# Allegro board S071AA-0413-20260427.brd (continued)
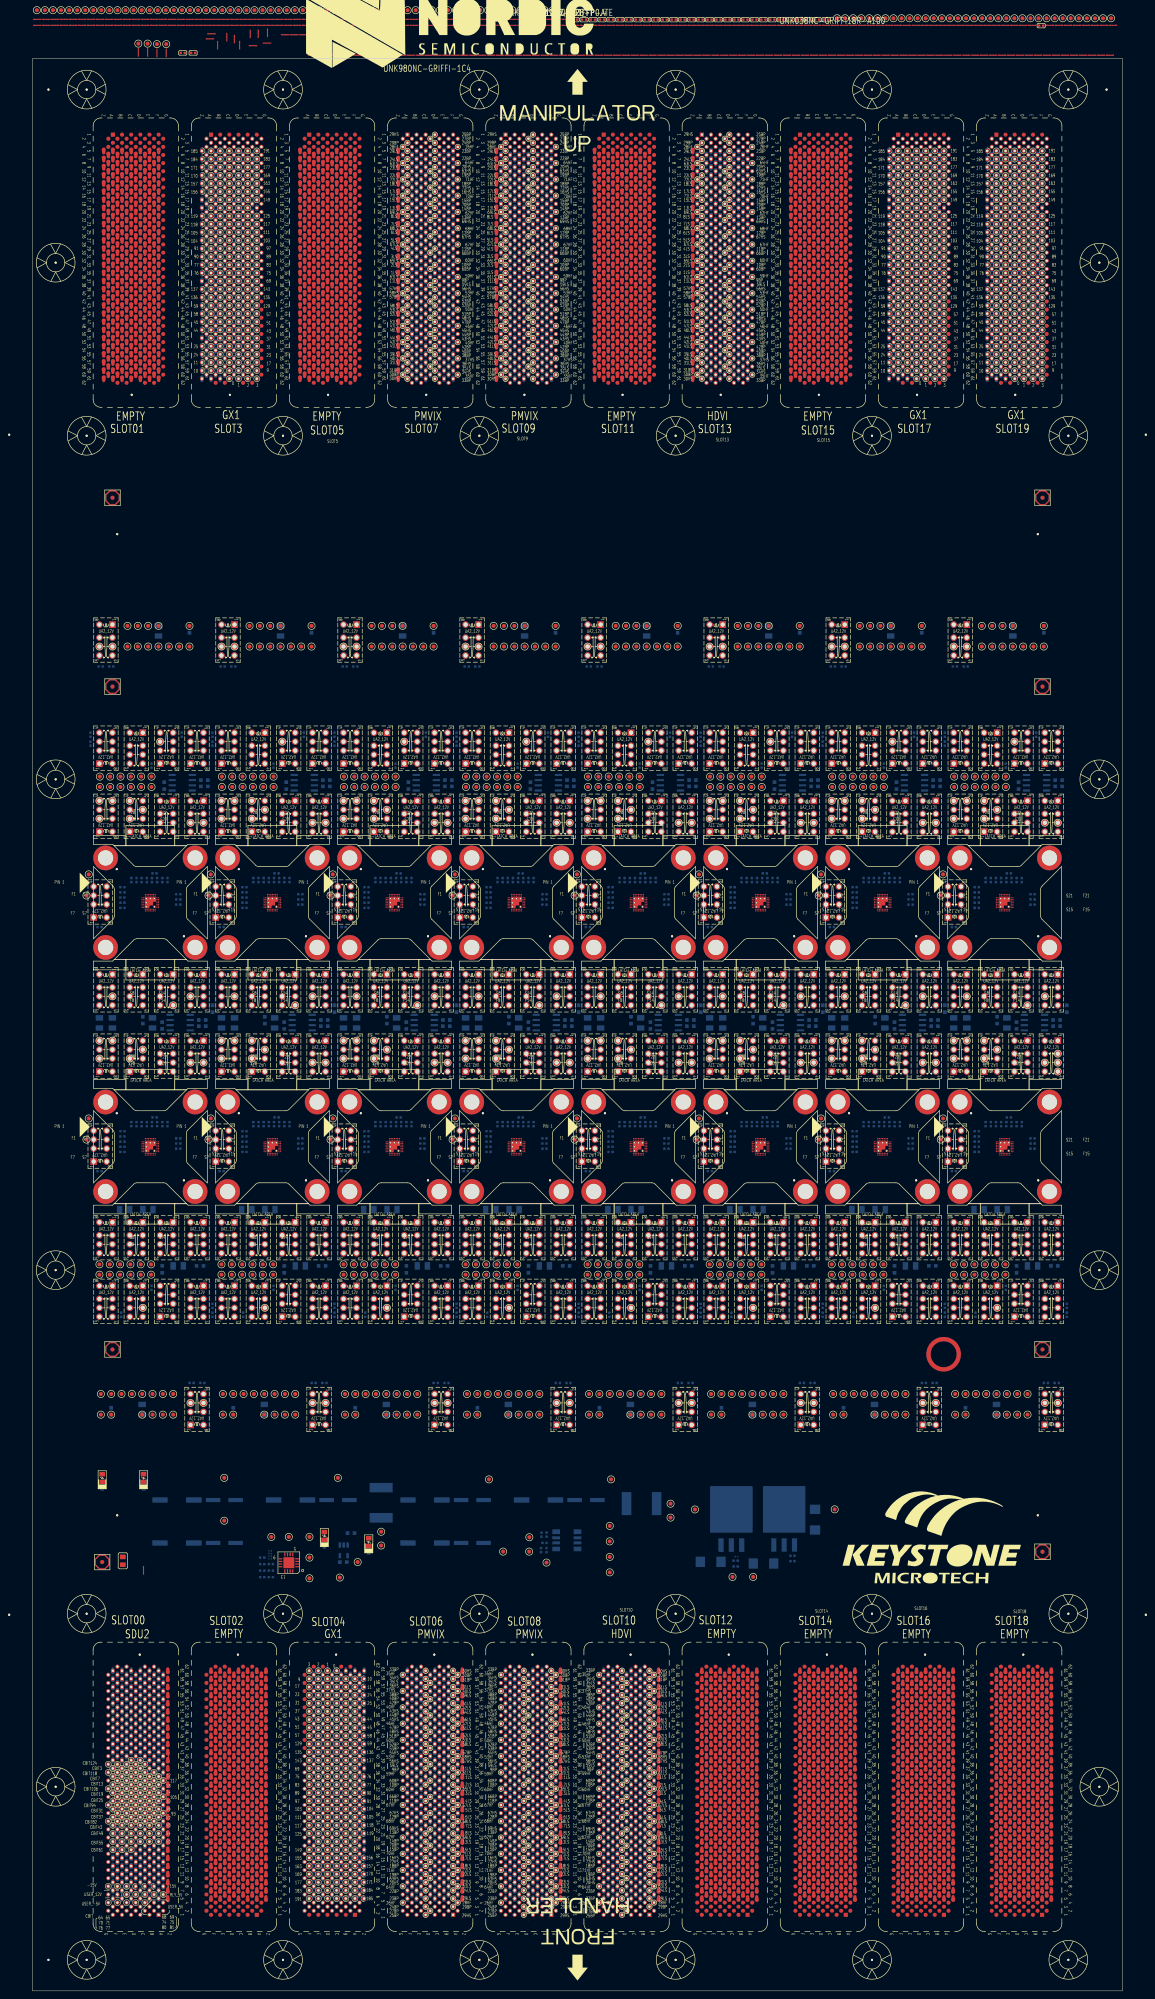
[diagram p0: board, top side]
## Library data of the parts (continued)
BC1 BC3 BC5 BC7 BC11 BC13 = 100U-50-E-S-6.6X6.6: Tolerance: TOL; User Part Number: PNXXXXXXXXXX
BC2 BC4 BC6 BC8 BC10 BC12 = 47U-100-E-S10X10-NI: User Part Number: PNXXXXXXXXXX; Tolerance: TOL
BD1 BD2 = BD120-3.5A-S8-LA: User Part Number: PNXXXXXXXXXX; Tolerance: TOL
BR1-BR3 = 560-1-S6: User Part Number: PNXXXXXXXXXX; Tolerance: TOL
BR4 = 1K-1-S6: User Part Number: PNXXXXXXXXXX; Tolerance: TOL
C14 = 1U-16-X5R-S4-YA: User Part Number: PNXXXXXXXXXX; Tolerance: TOL
C84-C86 = 1U-16-X6S-S4-TY: User Part Number: PNXXXXXXXXXX; Tolerance: TOL
C87-C89 UNK1CS1 UNK1CS4 UNK1CS5 UNK1CS19-UNK1CS23 UNK1CS25-UNK1CS28 UNK2CS1 UNK2CS4 UNK2CS5 UNK2CS19-UNK2CS23 UNK2CS25-UNK2CS28 UNK3CS1 UNK3CS4 UNK3CS5 UNK3CS19-UNK3CS23 UNK3CS25-UNK3CS28 UNK4CS1 UNK4CS4 UNK4CS5 UNK4CS19-UNK4CS23 UNK4CS25-UNK4CS28 UNK5CS1 UNK5CS4 UNK5CS5 UNK5CS19-UNK5CS23 UNK5CS25-UNK5CS28 UNK6CS1 UNK6CS4 UNK6CS5 UNK6CS19-UNK6CS23 UNK6CS25-UNK6CS28 UNK7CS1 UNK7CS4 UNK7CS5 UNK7CS19-UNK7CS23 UNK7CS25-UNK7CS28 UNK8CS1 UNK8CS4 UNK8CS5 UNK8CS19-UNK8CS23 UNK8CS25-UNK8CS28 UNK9CS1 UNK9CS4 UNK9CS5 UNK9CS19-UNK9CS23 UNK9CS25-UNK9CS28 UNK10CS1 UNK10CS4 UNK10CS5 UNK10CS19-UNK10CS23 UNK10CS25-UNK10CS28 UNK11CS1 UNK11CS4 UNK11CS5 UNK11CS19-UNK11CS23 UNK11CS25-UNK11CS28 UNK12CS1 UNK12CS4 UNK12CS5 UNK12CS19-UNK12CS23 UNK12CS25-UNK12CS28 UNK13CS1 UNK13CS4 UNK13CS5 UNK13CS19-UNK13CS23 UNK13CS25-UNK13CS28 UNK14CS1 UNK14CS4 UNK14CS5 UNK14CS19-UNK14CS23 UNK14CS25-UNK14CS28 UNK15CS1 UNK15CS4 UNK15CS5 UNK15CS19-UNK15CS23 UNK15CS25-UNK15CS28 UNK16CS1 UNK16CS4 UNK16CS5 UNK16CS19-UNK16CS23 UNK16CS25-UNK16CS28 = 0.1U-10-X7R-S4-MU-1: User Part Number: PNXXXXXXXXXX; Tolerance: TOL
C90 = 100P-50-X8R-S4-KEMET: User Part Number: PNXXXXXXXXXX; Tolerance: TOL
C99-C101 = 10U-35-T-SC: Tolerance: TOL; User Part Number: PNXXXXXXXXXX
C102 C103 = 1U-25-X7R-S6-WA: User Part Number: PNXXXXXXXXXX; Tolerance: TOL
FD1-FD16 REG1_P3V3 REG1_P_5V REG1_P_10V SDUP5V1 SDUP15V1 T_+15V T_-15V T_RLY_5V T_USER_5V T_USER_12V T_USER_-5V TP_EEP_GND TP_EPP_SCLK TP_EPP_SCLK_DGND1 TP_EPP_SDA TP_EPP_SDA_DGND1 TP_EPP_VCC TP_EPP_VCC_DGND1 TP_REG1_P3V3 TP_REG1_P_5V_DGND TP_REG1_P_10V_DGND TP_SDUP5V1 TP_SDUP15V1 TP_USER_GND1 TP_USER_SCLK1 TP_USER_SCLK1_DGND1 TP_USER_SDA1 TP_USER_SDA1_DGND1 UNK1TP_AVSS2/TST UNK1TP_GPIO0-UNK1TP_GPIO4 UNK1TP_LED0-UNK1TP_LED2 UNK1TP_LSIN1_F UNK1TP_LSIN1_G UNK1TP_LSIN1_S UNK1TP_LSIN2/NCHGEN_F UNK1TP_LSIN2/NCHGEN_G UNK1TP_LSIN2/NCHGEN_S UNK1TP_LSOUT1_F UNK1TP_LSOUT1_G UNK1TP_LSOUT1_S UNK1TP_LSOUT2/SUSPEND1_G UNK1TP_LSOUT2/SUSPEND1_S UNK1TP_LSOUT2/SUSPEND_F UNK1TP_NCHG/ATB0_F UNK1TP_NCHG/ATB0_G UNK1TP_NCHG/ATB0_S UNK1TP_NPG/ATB1_F UNK1TP_NPG/ATB1_G UNK1TP_NPG/ATB1_S UNK1TP_NTC UNK1TP_REF_5V UNK1TP_SCL UNK1TP_SDA UNK1TP_SHPHLD_F UNK1TP_SHPHLD_S UNK1TP_SW_F UNK1TP_SW_S UNK1TP_VBAT_F UNK1TP_VBAT_S UNK1TP_VBUS_F UNK1TP_VBUS_S UNK1TP_VDDIO_F UNK1TP_VDDIO_S UNK1TP_VEST UNK1TP_VOUT_F UNK1TP_VOUT_S UNK1TP_VSYS_F UNK1TP_VSYS_S UNK2TP_AVSS2/TST UNK2TP_GPIO0-UNK2TP_GPIO4 UNK2TP_LED0-UNK2TP_LED2 UNK2TP_LSIN1_F UNK2TP_LSIN1_G UNK2TP_LSIN1_S UNK2TP_LSIN2/NCHGEN_F UNK2TP_LSIN2/NCHGEN_G UNK2TP_LSIN2/NCHGEN_S UNK2TP_LSOUT1_F UNK2TP_LSOUT1_G UNK2TP_LSOUT1_S UNK2TP_LSOUT2/SUSPEND1_G UNK2TP_LSOUT2/SUSPEND1_S UNK2TP_LSOUT2/SUSPEND_F UNK2TP_NCHG/ATB0_F UNK2TP_NCHG/ATB0_G UNK2TP_NCHG/ATB0_S UNK2TP_NPG/ATB1_F UNK2TP_NPG/ATB1_G UNK2TP_NPG/ATB1_S UNK2TP_NTC UNK2TP_REF_5V UNK2TP_SCL UNK2TP_SDA UNK2TP_SHPHLD_F UNK2TP_SHPHLD_S UNK2TP_SW_F UNK2TP_SW_S UNK2TP_VBAT_F UNK2TP_VBAT_S UNK2TP_VBUS_F UNK2TP_VBUS_S UNK2TP_VDDIO_F UNK2TP_VDDIO_S UNK2TP_VEST UNK2TP_VOUT_F UNK2TP_VOUT_S UNK2TP_VSYS_F UNK2TP_VSYS_S UNK3TP_AVSS2/TST UNK3TP_GPIO0-UNK3TP_GPIO4 UNK3TP_LED0-UNK3TP_LED2 UNK3TP_LSIN1_F UNK3TP_LSIN1_G UNK3TP_LSIN1_S UNK3TP_LSIN2/NCHGEN_F UNK3TP_LSIN2/NCHGEN_G UNK3TP_LSIN2/NCHGEN_S UNK3TP_LSOUT1_F UNK3TP_LSOUT1_G UNK3TP_LSOUT1_S UNK3TP_LSOUT2/SUSPEND1_G UNK3TP_LSOUT2/SUSPEND1_S UNK3TP_LSOUT2/SUSPEND_F UNK3TP_NCHG/ATB0_F UNK3TP_NCHG/ATB0_G UNK3TP_NCHG/ATB0_S UNK3TP_NPG/ATB1_F UNK3TP_NPG/ATB1_G UNK3TP_NPG/ATB1_S UNK3TP_NTC UNK3TP_REF_5V UNK3TP_SCL UNK3TP_SDA UNK3TP_SHPHLD_F UNK3TP_SHPHLD_S UNK3TP_SW_F UNK3TP_SW_S UNK3TP_VBAT_F UNK3TP_VBAT_S UNK3TP_VBUS_F UNK3TP_VBUS_S UNK3TP_VDDIO_F UNK3TP_VDDIO_S UNK3TP_VEST UNK3TP_VOUT_F UNK3TP_VOUT_S UNK3TP_VSYS_F UNK3TP_VSYS_S UNK4TP_AVSS2/TST UNK4TP_GPIO0-UNK4TP_GPIO4 UNK4TP_LED0-UNK4TP_LED2 UNK4TP_LSIN1_F UNK4TP_LSIN1_G UNK4TP_LSIN1_S UNK4TP_LSIN2/NCHGEN_F UNK4TP_LSIN2/NCHGEN_G UNK4TP_LSIN2/NCHGEN_S UNK4TP_LSOUT1_F UNK4TP_LSOUT1_G UNK4TP_LSOUT1_S UNK4TP_LSOUT2/SUSPEND1_G UNK4TP_LSOUT2/SUSPEND1_S UNK4TP_LSOUT2/SUSPEND_F UNK4TP_NCHG/ATB0_F UNK4TP_NCHG/ATB0_G UNK4TP_NCHG/ATB0_S UNK4TP_NPG/ATB1_F UNK4TP_NPG/ATB1_G UNK4TP_NPG/ATB1_S UNK4TP_NTC UNK4TP_REF_5V UNK4TP_SCL UNK4TP_SDA UNK4TP_SHPHLD_F UNK4TP_SHPHLD_S UNK4TP_SW_F UNK4TP_SW_S UNK4TP_VBAT_F UNK4TP_VBAT_S UNK4TP_VBUS_F UNK4TP_VBUS_S UNK4TP_VDDIO_F UNK4TP_VDDIO_S UNK4TP_VEST UNK4TP_VOUT_F UNK4TP_VOUT_S UNK4TP_VSYS_F UNK4TP_VSYS_S UNK5TP_AVSS2/TST UNK5TP_GPIO0-UNK5TP_GPIO4 UNK5TP_LED0-UNK5TP_LED2 UNK5TP_LSIN1_F UNK5TP_LSIN1_G UNK5TP_LSIN1_S UNK5TP_LSIN2/NCHGEN_F UNK5TP_LSIN2/NCHGEN_G UNK5TP_LSIN2/NCHGEN_S UNK5TP_LSOUT1_F UNK5TP_LSOUT1_G UNK5TP_LSOUT1_S UNK5TP_LSOUT2/SUSPEND1_G UNK5TP_LSOUT2/SUSPEND1_S UNK5TP_LSOUT2/SUSPEND_F UNK5TP_NCHG/ATB0_F UNK5TP_NCHG/ATB0_G UNK5TP_NCHG/ATB0_S UNK5TP_NPG/ATB1_F UNK5TP_NPG/ATB1_G UNK5TP_NPG/ATB1_S UNK5TP_NTC UNK5TP_REF_5V UNK5TP_SCL UNK5TP_SDA UNK5TP_SHPHLD_F UNK5TP_SHPHLD_S UNK5TP_SW_F UNK5TP_SW_S UNK5TP_VBAT_F UNK5TP_VBAT_S UNK5TP_VBUS_F UNK5TP_VBUS_S UNK5TP_VDDIO_F UNK5TP_VDDIO_S UNK5TP_VEST UNK5TP_VOUT_F UNK5TP_VOUT_S UNK5TP_VSYS_F UNK5TP_VSYS_S UNK6TP_AVSS2/TST UNK6TP_GPIO0-UNK6TP_GPIO4 UNK6TP_LED0-UNK6TP_LED2 UNK6TP_LSIN1_F UNK6TP_LSIN1_G UNK6TP_LSIN1_S UNK6TP_LSIN2/NCHGEN_F UNK6TP_LSIN2/NCHGEN_G UNK6TP_LSIN2/NCHGEN_S UNK6TP_LSOUT1_F UNK6TP_LSOUT1_G UNK6TP_LSOUT1_S UNK6TP_LSOUT2/SUSPEND1_G UNK6TP_LSOUT2/SUSPEND1_S UNK6TP_LSOUT2/SUSPEND_F UNK6TP_NCHG/ATB0_F UNK6TP_NCHG/ATB0_G UNK6TP_NCHG/ATB0_S UNK6TP_NPG/ATB1_F UNK6TP_NPG/ATB1_G UNK6TP_NPG/ATB1_S UNK6TP_NTC UNK6TP_REF_5V UNK6TP_SCL UNK6TP_SDA UNK6TP_SHPHLD_F UNK6TP_SHPHLD_S UNK6TP_SW_F UNK6TP_SW_S UNK6TP_VBAT_F UNK6TP_VBAT_S UNK6TP_VBUS_F UNK6TP_VBUS_S UNK6TP_VDDIO_F UNK6TP_VDDIO_S UNK6TP_VEST UNK6TP_VOUT_F UNK6TP_VOUT_S UNK6TP_VSYS_F UNK6TP_VSYS_S UNK7TP_AVSS2/TST UNK7TP_GPIO0-UNK7TP_GPIO4 UNK7TP_LED0-UNK7TP_LED2 UNK7TP_LSIN1_F UNK7TP_LSIN1_G UNK7TP_LSIN1_S UNK7TP_LSIN2/NCHGEN_F UNK7TP_LSIN2/NCHGEN_G UNK7TP_LSIN2/NCHGEN_S UNK7TP_LSOUT1_F UNK7TP_LSOUT1_G UNK7TP_LSOUT1_S UNK7TP_LSOUT2/SUSPEND1_G UNK7TP_LSOUT2/SUSPEND1_S UNK7TP_LSOUT2/SUSPEND_F UNK7TP_NCHG/ATB0_F UNK7TP_NCHG/ATB0_G UNK7TP_NCHG/ATB0_S UNK7TP_NPG/ATB1_F UNK7TP_NPG/ATB1_G UNK7TP_NPG/ATB1_S UNK7TP_NTC UNK7TP_REF_5V UNK7TP_SCL UNK7TP_SDA UNK7TP_SHPHLD_F UNK7TP_SHPHLD_S UNK7TP_SW_F UNK7TP_SW_S UNK7TP_VBAT_F UNK7TP_VBAT_S UNK7TP_VBUS_F UNK7TP_VBUS_S UNK7TP_VDDIO_F UNK7TP_VDDIO_S UNK7TP_VEST UNK7TP_VOUT_F UNK7TP_VOUT_S UNK7TP_VSYS_F UNK7TP_VSYS_S UNK8TP_AVSS2/TST UNK8TP_GPIO0-UNK8TP_GPIO4 UNK8TP_LED0-UNK8TP_LED2 UNK8TP_LSIN1_F UNK8TP_LSIN1_G UNK8TP_LSIN1_S UNK8TP_LSIN2/NCHGEN_F UNK8TP_LSIN2/NCHGEN_G UNK8TP_LSIN2/NCHGEN_S UNK8TP_LSOUT1_F UNK8TP_LSOUT1_G UNK8TP_LSOUT1_S UNK8TP_LSOUT2/SUSPEND1_G UNK8TP_LSOUT2/SUSPEND1_S UNK8TP_LSOUT2/SUSPEND_F UNK8TP_NCHG/ATB0_F UNK8TP_NCHG/ATB0_G UNK8TP_NCHG/ATB0_S UNK8TP_NPG/ATB1_F UNK8TP_NPG/ATB1_G UNK8TP_NPG/ATB1_S UNK8TP_NTC UNK8TP_REF_5V UNK8TP_SCL UNK8TP_SDA UNK8TP_SHPHLD_F UNK8TP_SHPHLD_S UNK8TP_SW_F UNK8TP_SW_S UNK8TP_VBAT_F UNK8TP_VBAT_S UNK8TP_VBUS_F UNK8TP_VBUS_S UNK8TP_VDDIO_F UNK8TP_VDDIO_S UNK8TP_VEST UNK8TP_VOUT_F UNK8TP_VOUT_S UNK8TP_VSYS_F UNK8TP_VSYS_S UNK9TP_AVSS2/TST UNK9TP_GPIO0-UNK9TP_GPIO4 UNK9TP_LED0-UNK9TP_LED2 UNK9TP_LSIN1_F UNK9TP_LSIN1_G UNK9TP_LSIN1_S UNK9TP_LSIN2/NCHGEN_F UNK9TP_LSIN2/NCHGEN_G UNK9TP_LSIN2/NCHGEN_S UNK9TP_LSOUT1_F UNK9TP_LSOUT1_G UNK9TP_LSOUT1_S UNK9TP_LSOUT2/SUSPEND1_G UNK9TP_LSOUT2/SUSPEND1_S UNK9TP_LSOUT2/SUSPEND_F UNK9TP_NCHG/ATB0_F UNK9TP_NCHG/ATB0_G UNK9TP_NCHG/ATB0_S UNK9TP_NPG/ATB1_F UNK9TP_NPG/ATB1_G UNK9TP_NPG/ATB1_S UNK9TP_NTC UNK9TP_REF_5V UNK9TP_SCL UNK9TP_SDA UNK9TP_SHPHLD_F UNK9TP_SHPHLD_S UNK9TP_SW_F UNK9TP_SW_S UNK9TP_VBAT_F UNK9TP_VBAT_S UNK9TP_VBUS_F UNK9TP_VBUS_S UNK9TP_VDDIO_F UNK9TP_VDDIO_S UNK9TP_VEST UNK9TP_VOUT_F UNK9TP_VOUT_S UNK9TP_VSYS_F UNK9TP_VSYS_S UNK10TP_AVSS2/TST UNK10TP_GPIO0-UNK10TP_GPIO4 UNK10TP_LED0-UNK10TP_LED2 UNK10TP_LSIN1_F UNK10TP_LSIN1_G UNK10TP_LSIN1_S UNK10TP_LSIN2/NCHGEN_F UNK10TP_LSIN2/NCHGEN_G UNK10TP_LSIN2/NCHGEN_S UNK10TP_LSOUT1_F UNK10TP_LSOUT1_G UNK10TP_LSOUT1_S UNK10TP_LSOUT2/SUSPEND1_G UNK10TP_LSOUT2/SUSPEND1_S UNK10TP_LSOUT2/SUSPEND_F UNK10TP_NCHG/ATB0_F UNK10TP_NCHG/ATB0_G UNK10TP_NCHG/ATB0_S UNK10TP_NPG/ATB1_F UNK10TP_NPG/ATB1_G UNK10TP_NPG/ATB1_S UNK10TP_NTC UNK10TP_REF_5V UNK10TP_SCL UNK10TP_SDA UNK10TP_SHPHLD_F UNK10TP_SHPHLD_S UNK10TP_SW_F UNK10TP_SW_S UNK10TP_VBAT_F UNK10TP_VBAT_S UNK10TP_VBUS_F UNK10TP_VBUS_S UNK10TP_VDDIO_F UNK10TP_VDDIO_S UNK10TP_VEST UNK10TP_VOUT_F UNK10TP_VOUT_S UNK10TP_VSYS_F UNK10TP_VSYS_S UNK11TP_AVSS2/TST UNK11TP_GPIO0-UNK11TP_GPIO4 UNK11TP_LED0-UNK11TP_LED2 UNK11TP_LSIN1_F UNK11TP_LSIN1_G UNK11TP_LSIN1_S UNK11TP_LSIN2/NCHGEN_F UNK11TP_LSIN2/NCHGEN_G UNK11TP_LSIN2/NCHGEN_S UNK11TP_LSOUT1_F UNK11TP_LSOUT1_G UNK11TP_LSOUT1_S UNK11TP_LSOUT2/SUSPEND1_G UNK11TP_LSOUT2/SUSPEND1_S UNK11TP_LSOUT2/SUSPEND_F UNK11TP_NCHG/ATB0_F UNK11TP_NCHG/ATB0_G UNK11TP_NCHG/ATB0_S UNK11TP_NPG/ATB1_F UNK11TP_NPG/ATB1_G UNK11TP_NPG/ATB1_S UNK11TP_NTC UNK11TP_REF_5V UNK11TP_SCL UNK11TP_SDA UNK11TP_SHPHLD_F UNK11TP_SHPHLD_S UNK11TP_SW_F UNK11TP_SW_S UNK11TP_VBAT_F UNK11TP_VBAT_S UNK11TP_VBUS_F UNK11TP_VBUS_S UNK11TP_VDDIO_F UNK11TP_VDDIO_S UNK11TP_VEST UNK11TP_VOUT_F UNK11TP_VOUT_S UNK11TP_VSYS_F UNK11TP_VSYS_S UNK12TP_AVSS2/TST UNK12TP_GPIO0-UNK12TP_GPIO4 UNK12TP_LED0-UNK12TP_LED2 UNK12TP_LSIN1_F UNK12TP_LSIN1_G UNK12TP_LSIN1_S UNK12TP_LSIN2/NCHGEN_F UNK12TP_LSIN2/NCHGEN_G UNK12TP_LSIN2/NCHGEN_S UNK12TP_LSOUT1_F UNK12TP_LSOUT1_G UNK12TP_LSOUT1_S UNK12TP_LSOUT2/SUSPEND1_G UNK12TP_LSOUT2/SUSPEND1_S UNK12TP_LSOUT2/SUSPEND_F UNK12TP_NCHG/ATB0_F UNK12TP_NCHG/ATB0_G UNK12TP_NCHG/ATB0_S UNK12TP_NPG/ATB1_F UNK12TP_NPG/ATB1_G UNK12TP_NPG/ATB1_S UNK12TP_NTC UNK12TP_REF_5V UNK12TP_SCL UNK12TP_SDA UNK12TP_SHPHLD_F UNK12TP_SHPHLD_S UNK12TP_SW_F UNK12TP_SW_S UNK12TP_VBAT_F UNK12TP_VBAT_S UNK12TP_VBUS_F UNK12TP_VBUS_S UNK12TP_VDDIO_F UNK12TP_VDDIO_S UNK12TP_VEST UNK12TP_VOUT_F UNK12TP_VOUT_S UNK12TP_VSYS_F UNK12TP_VSYS_S UNK13TP_AVSS2/TST UNK13TP_GPIO0-UNK13TP_GPIO4 UNK13TP_LED0-UNK13TP_LED2 UNK13TP_LSIN1_F UNK13TP_LSIN1_G UNK13TP_LSIN1_S UNK13TP_LSIN2/NCHGEN_F UNK13TP_LSIN2/NCHGEN_G UNK13TP_LSIN2/NCHGEN_S UNK13TP_LSOUT1_F UNK13TP_LSOUT1_G UNK13TP_LSOUT1_S UNK13TP_LSOUT2/SUSPEND1_G UNK13TP_LSOUT2/SUSPEND1_S UNK13TP_LSOUT2/SUSPEND_F UNK13TP_NCHG/ATB0_F UNK13TP_NCHG/ATB0_G UNK13TP_NCHG/ATB0_S UNK13TP_NPG/ATB1_F UNK13TP_NPG/ATB1_G UNK13TP_NPG/ATB1_S UNK13TP_NTC UNK13TP_REF_5V UNK13TP_SCL UNK13TP_SDA UNK13TP_SHPHLD_F UNK13TP_SHPHLD_S UNK13TP_SW_F UNK13TP_SW_S UNK13TP_VBAT_F UNK13TP_VBAT_S UNK13TP_VBUS_F UNK13TP_VBUS_S UNK13TP_VDDIO_F UNK13TP_VDDIO_S UNK13TP_VEST UNK13TP_VOUT_F UNK13TP_VOUT_S UNK13TP_VSYS_F UNK13TP_VSYS_S UNK14TP_AVSS2/TST UNK14TP_GPIO0-UNK14TP_GPIO4 UNK14TP_LED0-UNK14TP_LED2 UNK14TP_LSIN1_F UNK14TP_LSIN1_G UNK14TP_LSIN1_S UNK14TP_LSIN2/NCHGEN_F UNK14TP_LSIN2/NCHGEN_G UNK14TP_LSIN2/NCHGEN_S UNK14TP_LSOUT1_F UNK14TP_LSOUT1_G UNK14TP_LSOUT1_S UNK14TP_LSOUT2/SUSPEND1_G UNK14TP_LSOUT2/SUSPEND1_S UNK14TP_LSOUT2/SUSPEND_F UNK14TP_NCHG/ATB0_F UNK14TP_NCHG/ATB0_G UNK14TP_NCHG/ATB0_S UNK14TP_NPG/ATB1_F UNK14TP_NPG/ATB1_G UNK14TP_NPG/ATB1_S UNK14TP_NTC UNK14TP_REF_5V UNK14TP_SCL UNK14TP_SDA UNK14TP_SHPHLD_F UNK14TP_SHPHLD_S UNK14TP_SW_F UNK14TP_SW_S UNK14TP_VBAT_F UNK14TP_VBAT_S UNK14TP_VBUS_F UNK14TP_VBUS_S UNK14TP_VDDIO_F UNK14TP_VDDIO_S UNK14TP_VEST UNK14TP_VOUT_F UNK14TP_VOUT_S UNK14TP_VSYS_F UNK14TP_VSYS_S UNK15TP_AVSS2/TST UNK15TP_GPIO0-UNK15TP_GPIO4 UNK15TP_LED0-UNK15TP_LED2 UNK15TP_LSIN1_F UNK15TP_LSIN1_G UNK15TP_LSIN1_S UNK15TP_LSIN2/NCHGEN_F UNK15TP_LSIN2/NCHGEN_G UNK15TP_LSIN2/NCHGEN_S UNK15TP_LSOUT1_F UNK15TP_LSOUT1_G UNK15TP_LSOUT1_S UNK15TP_LSOUT2/SUSPEND1_G UNK15TP_LSOUT2/SUSPEND1_S UNK15TP_LSOUT2/SUSPEND_F UNK15TP_NCHG/ATB0_F UNK15TP_NCHG/ATB0_G UNK15TP_NCHG/ATB0_S UNK15TP_NPG/ATB1_F UNK15TP_NPG/ATB1_G UNK15TP_NPG/ATB1_S UNK15TP_NTC UNK15TP_REF_5V UNK15TP_SCL UNK15TP_SDA UNK15TP_SHPHLD_F UNK15TP_SHPHLD_S UNK15TP_SW_F UNK15TP_SW_S UNK15TP_VBAT_F UNK15TP_VBAT_S UNK15TP_VBUS_F UNK15TP_VBUS_S UNK15TP_VDDIO_F UNK15TP_VDDIO_S UNK15TP_VEST UNK15TP_VOUT_F UNK15TP_VOUT_S UNK15TP_VSYS_F UNK15TP_VSYS_S UNK16TP_AVSS2/TST UNK16TP_GPIO0-UNK16TP_GPIO4 UNK16TP_LED0-UNK16TP_LED2 UNK16TP_LSIN1_F UNK16TP_LSIN1_G UNK16TP_LSIN1_S UNK16TP_LSIN2/NCHGEN_F UNK16TP_LSIN2/NCHGEN_G UNK16TP_LSIN2/NCHGEN_S UNK16TP_LSOUT1_F UNK16TP_LSOUT1_G UNK16TP_LSOUT1_S UNK16TP_LSOUT2/SUSPEND1_G UNK16TP_LSOUT2/SUSPEND1_S UNK16TP_LSOUT2/SUSPEND_F UNK16TP_NCHG/ATB0_F UNK16TP_NCHG/ATB0_G UNK16TP_NCHG/ATB0_S UNK16TP_NPG/ATB1_F UNK16TP_NPG/ATB1_G UNK16TP_NPG/ATB1_S UNK16TP_NTC UNK16TP_REF_5V UNK16TP_SCL UNK16TP_SDA UNK16TP_SHPHLD_F UNK16TP_SHPHLD_S UNK16TP_SW_F UNK16TP_SW_S UNK16TP_VBAT_F UNK16TP_VBAT_S UNK16TP_VBUS_F UNK16TP_VBUS_S UNK16TP_VDDIO_F UNK16TP_VDDIO_S UNK16TP_VEST UNK16TP_VOUT_F UNK16TP_VOUT_S UNK16TP_VSYS_F UNK16TP_VSYS_S = TP01: Tolerance: TOL; User Part Number: PNXXXXXXXXXX
FUSE1 FUSE2 = 2920L200-2A-S7.98X5.44: User Part Number: PNXXXXXXXXXX; Tolerance: TOL
H1-H4 = M3-HOLE: Tolerance: TOL; User Part Number: PNXXXXXXXXXX
LOGO1 LOGO2 = LOGO_KT_KSMT
M1 = DIAMONDX_X1_OUTLINE_FULL: User Part Number: PNXXXXXXXXXX; Tolerance: TOL
NPM1212-GRIFFI NPM1212-QFN28-P0.4 = REF-CODE-CHIP
R7-R10 = 20K-1-S2: User Part Number: PNXXXXXXXXXX; Tolerance: TOL
R21 = 10K-1-S4: User Part Number: PNXXXXXXXXXX; Tolerance: TOL
R22-R24 = 0-1-S4-YA: User Part Number: PNXXXXXXXXXX; Tolerance: TOL
R376 = 118-1-S2-YA: User Part Number: PNXXXXXXXXXX; Tolerance: TOL
R378 = 365-1-S4: User Part Number: PNXXXXXXXXXX; Tolerance: TOL
R381 = 750-1-S4: User Part Number: PNXXXXXXXXXX; Tolerance: TOL
R382 = 75-1-S4: User Part Number: PNXXXXXXXXXX; Tolerance: TOL
R383 = 121-1-S4: User Part Number: PNXXXXXXXXXX; Tolerance: TOL
RLY_5V1 USER_5V1 USER_12V1 USER_-5V1 = LDG-2-S8: User Part Number: PNXXXXXXXXXX; Tolerance: TOL
SITE1-SITE16 = NPM1212-QFN28-P0.4: Tolerance: TOL; User Part Number: PNXXXXXXXXXX
SLOT0 = DIAMONDX_SLOT0_SDU2: Tolerance: TOL; User Part Number: PNXXXXXXXXXX
SLOT1 SLOT2 SLOT11 SLOT12 = DIAMONDX_X1_DUT_1: Tolerance: TOL; User Part Number: PNXXXXXXXXXX
SLOT3 = DIAMONDX_SLOT3_GX1X: Tolerance: TOL; User Part Number: PNXXXXXXXXXX
SLOT4 = DIAMONDX_SLOT4_GX1X: Tolerance: TOL; User Part Number: PNXXXXXXXXXX
SLOT5 SLOT14-SLOT16 SLOT18 = DIAMONDX_X1_DUT_1: User Part Number: PNXXXXXXXXXX; Tolerance: TOL
SLOT6 = DIAMONDX_SLOT6_PMVIX: Tolerance: TOL; User Part Number: PNXXXXXXXXXX
SLOT7 = DIAMONDX_SLOT7_PMVIX: Tolerance: TOL; User Part Number: PNXXXXXXXXXX
SLOT8 = DIAMONDX_SLOT8_PMVIX: Tolerance: TOL; User Part Number: PNXXXXXXXXXX
SLOT9 = DIAMONDX_SLOT9_PMVIX: Tolerance: TOL; User Part Number: PNXXXXXXXXXX
SLOT10 = DIAMONDX_SLOT10_HDVI: User Part Number: PNXXXXXXXXXX; Tolerance: TOL
SLOT13 = DIAMONDX_SLOT13_HDVI: Tolerance: TOL; User Part Number: PNXXXXXXXXXX
SLOT17 = DIAMONDX_SLOT17_GX1X: Tolerance: TOL; User Part Number: PNXXXXXXXXXX
SLOT19 = DIAMONDX_SLOT19_GX1X: Tolerance: TOL; User Part Number: PNXXXXXXXXXX
U4 = ADT7420UCPZ-LFCSP16: User Part Number: PNXXXXXXXXXX; Tolerance: TOL
U6 = AT24C512C-SSHM-T-SOIC8: User Part Number: PNXXXXXXXXXX; Tolerance: TOL
U44 = ADP151AUJZ-0.2A-33-TSOT23-5: User Part Number: PNXXXXXXXXXX; Tolerance: TOL
U46 U47 = LM1086-1.5A-A-TO263-1: Tolerance: TOL; User Part Number: PNXXXXXXXXXX
UNK0BS1 UNK0BS2 UNK1SH2 UNK1SH7 UNK1SH9 UNK1SH14 UNK1SH16 UNK1SH20 UNK1SH29 UNK1SH30 UNK1SH32-UNK1SH41 UNK2SH2 UNK2SH7 UNK2SH9 UNK2SH14 UNK2SH16 UNK2SH20 UNK2SH29 UNK2SH30 UNK2SH32-UNK2SH41 UNK3SH2 UNK3SH7 UNK3SH9 UNK3SH14 UNK3SH16 UNK3SH20 UNK3SH29 UNK3SH30 UNK3SH32-UNK3SH41 UNK4SH2 UNK4SH7 UNK4SH9 UNK4SH14 UNK4SH16 UNK4SH20 UNK4SH29 UNK4SH30 UNK4SH32-UNK4SH41 UNK5SH2 UNK5SH7 UNK5SH9 UNK5SH14 UNK5SH16 UNK5SH20 UNK5SH29 UNK5SH30 UNK5SH32-UNK5SH41 UNK6SH2 UNK6SH7 UNK6SH9 UNK6SH14 UNK6SH16 UNK6SH20 UNK6SH29 UNK6SH30 UNK6SH32-UNK6SH41 UNK7SH2 UNK7SH7 UNK7SH9 UNK7SH14 UNK7SH16 UNK7SH20 UNK7SH29 UNK7SH30 UNK7SH32-UNK7SH41 UNK8SH2 UNK8SH7 UNK8SH9 UNK8SH14 UNK8SH16 UNK8SH20 UNK8SH29 UNK8SH30 UNK8SH32-UNK8SH41 UNK9SH2 UNK9SH7 UNK9SH9 UNK9SH14 UNK9SH16 UNK9SH20 UNK9SH29 UNK9SH30 UNK9SH32-UNK9SH41 UNK10SH2 UNK10SH7 UNK10SH9 UNK10SH14 UNK10SH16 UNK10SH20 UNK10SH29 UNK10SH30 UNK10SH32-UNK10SH41 UNK11SH2 UNK11SH7 UNK11SH9 UNK11SH14 UNK11SH16 UNK11SH20 UNK11SH29 UNK11SH30 UNK11SH32-UNK11SH41 UNK12SH2 UNK12SH7 UNK12SH9 UNK12SH14 UNK12SH16 UNK12SH20 UNK12SH29 UNK12SH30 UNK12SH32-UNK12SH41 UNK13SH2 UNK13SH7 UNK13SH9 UNK13SH14 UNK13SH16 UNK13SH20 UNK13SH29 UNK13SH30 UNK13SH32-UNK13SH41 UNK14SH2 UNK14SH7 UNK14SH9 UNK14SH14 UNK14SH16 UNK14SH20 UNK14SH29 UNK14SH30 UNK14SH32-UNK14SH41 UNK15SH2 UNK15SH7 UNK15SH9 UNK15SH14 UNK15SH16 UNK15SH20 UNK15SH29 UNK15SH30 UNK15SH32-UNK15SH41 UNK16SH2 UNK16SH7 UNK16SH9 UNK16SH14 UNK16SH16 UNK16SH20 UNK16SH29 UNK16SH30 UNK16SH32-UNK16SH41 = SHORT: User Part Number: PNXXXXXXXXXX; Tolerance: TOL
UNK1C1 UNK2C1 UNK3C1 UNK4C1 UNK5C1 UNK6C1 UNK7C1 UNK8C1 UNK9C1 UNK10C1 UNK11C1 UNK12C1 UNK13C1 UNK14C1 UNK15C1 UNK16C1 = 1U-6.3-X7R-S6-MU: User Part Number: PNXXXXXXXXXX; Tolerance: TOL
UNK1C2 UNK1C4 UNK1C5 UNK1C12 UNK2C2 UNK2C4 UNK2C5 UNK2C12 UNK3C2 UNK3C4 UNK3C5 UNK3C12 UNK4C2 UNK4C4 UNK4C5 UNK4C12 UNK5C2 UNK5C4 UNK5C5 UNK5C12 UNK6C2 UNK6C4 UNK6C5 UNK6C12 UNK7C2 UNK7C4 UNK7C5 UNK7C12 UNK8C2 UNK8C4 UNK8C5 UNK8C12 UNK9C2 UNK9C4 UNK9C5 UNK9C12 UNK10C2 UNK10C4 UNK10C5 UNK10C12 UNK11C2 UNK11C4 UNK11C5 UNK11C12 UNK12C2 UNK12C4 UNK12C5 UNK12C12 UNK13C2 UNK13C4 UNK13C5 UNK13C12 UNK14C2 UNK14C4 UNK14C5 UNK14C12 UNK15C2 UNK15C4 UNK15C5 UNK15C12 UNK16C2 UNK16C4 UNK16C5 UNK16C12 = 2.2U-25-X8R-SA-TDK: User Part Number: PNXXXXXXXXXX; Tolerance: TOL
UNK1C3 UNK2C3 UNK3C3 UNK4C3 UNK5C3 UNK6C3 UNK7C3 UNK8C3 UNK9C3 UNK10C3 UNK11C3 UNK12C3 UNK13C3 UNK14C3 UNK15C3 UNK16C3 = 10U-6.3-X7R-S6-SS: User Part Number: PNXXXXXXXXXX; Tolerance: TOL
UNK1C6 UNK2C6 UNK3C6 UNK4C6 UNK5C6 UNK6C6 UNK7C6 UNK8C6 UNK9C6 UNK10C6 UNK11C6 UNK12C6 UNK13C6 UNK14C6 UNK15C6 UNK16C6 = 4.7U-6.3-X-S6: User Part Number: PNXXXXXXXXXX; Tolerance: TOL
UNK1C7 UNK1C9 UNK2C7 UNK2C9 UNK3C7 UNK3C9 UNK4C7 UNK4C9 UNK5C7 UNK5C9 UNK6C7 UNK6C9 UNK7C7 UNK7C9 UNK8C7 UNK8C9 UNK9C7 UNK9C9 UNK10C7 UNK10C9 UNK11C7 UNK11C9 UNK12C7 UNK12C9 UNK13C7 UNK13C9 UNK14C7 UNK14C9 UNK15C7 UNK15C9 UNK16C7 UNK16C9 = 0.1U-25-X7R-S6-YA: User Part Number: PNXXXXXXXXXX; Tolerance: TOL
UNK1C8 UNK2C8 UNK3C8 UNK4C8 UNK5C8 UNK6C8 UNK7C8 UNK8C8 UNK9C8 UNK10C8 UNK11C8 UNK12C8 UNK13C8 UNK14C8 UNK15C8 UNK16C8 = 1U-50-X7R-S6-TY: User Part Number: PNXXXXXXXXXX; Tolerance: TOL
UNK1K1-UNK1K14 UNK2K1-UNK2K14 UNK3K1-UNK3K14 UNK4K1-UNK4K14 UNK5K1-UNK5K14 UNK6K1-UNK6K14 UNK7K1-UNK7K14 UNK8K1-UNK8K14 UNK9K1-UNK9K14 UNK10K1-UNK10K14 UNK11K1-UNK11K14 UNK12K1-UNK12K14 UNK13K1-UNK13K14 UNK14K1-UNK14K14 UNK15K1-UNK15K14 UNK16K1-UNK16K14 = UA2-12NJ-V2: Tolerance: TOL; User Part Number: PNXXXXXXXXXX
UNK1R1 UNK2R1 UNK3R1 UNK4R1 UNK5R1 UNK6R1 UNK7R1 UNK8R1 UNK9R1 UNK10R1 UNK11R1 UNK12R1 UNK13R1 UNK14R1 UNK15R1 UNK16R1 = 4.7K-1-S4-WA: User Part Number: PNXXXXXXXXXX; Tolerance: TOL
UNK1R2 UNK2R2 UNK3R2 UNK4R2 UNK5R2 UNK6R2 UNK7R2 UNK8R2 UNK9R2 UNK10R2 UNK11R2 UNK12R2 UNK13R2 UNK14R2 UNK15R2 UNK16R2 = 3.01K-0.1-S4-PAN: User Part Number: PNXXXXXXXXXX; Tolerance: TOL
UNK1R3 UNK2R3 UNK3R3 UNK4R3 UNK5R3 UNK6R3 UNK7R3 UNK8R3 UNK9R3 UNK10R3 UNK11R3 UNK12R3 UNK13R3 UNK14R3 UNK15R3 UNK16R3 = 10K-0.1-S4: User Part Number: PNXXXXXXXXXX; Tolerance: TOL
UNK1R7 UNK1R8 UNK2R7 UNK2R8 UNK3R7 UNK3R8 UNK4R7 UNK4R8 UNK5R7 UNK5R8 UNK6R7 UNK6R8 UNK7R7 UNK7R8 UNK8R7 UNK8R8 UNK9R7 UNK9R8 UNK10R7 UNK10R8 UNK11R7 UNK11R8 UNK12R7 UNK12R8 UNK13R7 UNK13R8 UNK14R7 UNK14R8 UNK15R7 UNK15R8 UNK16R7 UNK16R8 = 1K-1-S4: User Part Number: PNXXXXXXXXXX; Tolerance: TOL
UNK1R13 UNK1R14 UNK1RS1-UNK1RS5 UNK2R13 UNK2R14 UNK2RS1-UNK2RS5 UNK3R13 UNK3R14 UNK3RS1-UNK3RS5 UNK4R13 UNK4R14 UNK4RS1-UNK4RS5 UNK5R13 UNK5R14 UNK5RS1-UNK5RS5 UNK6R13 UNK6R14 UNK6RS1-UNK6RS5 UNK7R13 UNK7R14 UNK7RS1-UNK7RS5 UNK8R13 UNK8R14 UNK8RS1-UNK8RS5 UNK9R13 UNK9R14 UNK9RS1-UNK9RS5 UNK10R13 UNK10R14 UNK10RS1-UNK10RS5 UNK11R13 UNK11R14 UNK11RS1-UNK11RS5 UNK12R13 UNK12R14 UNK12RS1-UNK12RS5 UNK13R13 UNK13R14 UNK13RS1-UNK13RS5 UNK14R13 UNK14R14 UNK14RS1-UNK14RS5 UNK15R13 UNK15R14 UNK15RS1-UNK15RS5 UNK16R13 UNK16R14 UNK16RS1-UNK16RS5 = 0-5-S4: User Part Number: PNXXXXXXXXXX; Tolerance: TOL
UNK1R41 UNK2R41 UNK3R41 UNK4R41 UNK5R41 UNK6R41 UNK7R41 UNK8R41 UNK9R41 UNK10R41 UNK11R41 UNK12R41 UNK13R41 UNK14R41 UNK15R41 UNK16R41 = 24K-0.1-S4: User Part Number: PNXXXXXXXXXX; Tolerance: TOL
UNK1R42 UNK2R42 UNK3R42 UNK4R42 UNK5R42 UNK6R42 UNK7R42 UNK8R42 UNK9R42 UNK10R42 UNK11R42 UNK12R42 UNK13R42 UNK14R42 UNK15R42 UNK16R42 = 44.2K-0.1-S4-PAN: User Part Number: PNXXXXXXXXXX; Tolerance: TOL
UNK1U1 UNK2U1 UNK3U1 UNK4U1 UNK5U1 UNK6U1 UNK7U1 UNK8U1 UNK9U1 UNK10U1 UNK11U1 UNK12U1 UNK13U1 UNK14U1 UNK15U1 UNK16U1 = ADR4550BRZ-SOIC8: Tolerance: TOL; User Part Number: PNXXXXXXXXXX
UNK038NC-GRIFFI18R-A100 UNK980NC-GRIFFI-1C4 = REF-CODE-PCB
UNK730-03146-001_FP-ATE = REF-CODE-SOCKET
UNK* UNK*#2 = -: Tolerance: TOL; User Part Number: PNXXXXXXXXXX

## Footprints (pads in the part's own frame, mm; a bottom-side part is the same pattern mirrored in y, then rotated)
C0402
  custom 0.15x0.15 smd: 1(-0.5,0) 2(0.5,0)
C0603
  rect 0.889x0.889 smd: 1(-0.85,0) 2(0.85,0)
C1206
  rect 1.321x1.829 smd: 1(-1.25,0) 2(1.25,0)
CHIP_CODE
  round 0.051 smd: 1(0,0)
CODE_C
  rect 2.286x2.54 smd: 1(-2.54,0) 2(2.54,0)
DEFAULT_SHORT_SMALL
  custom 0.07x0.07 smd: 1(-0.5,0) 2(0.5,0)
EC_6P3X7P7MM_S
  rect 1.016x3.556 smd: 1(0,2.78) 2(0,-2.78)
ECS_10X10MM_H10P5
  rect 1.27x3.81 smd: 1(0,4.155) 2(0,-4.155)
FB0805
  rect 1.118x1.372 smd: 1(-0.965,0) 2(0.965,0)
FD_040_V2
  round 1.016 smd: 1(0,0)
FUSE_2920_H45
  rect 2.337x5.639 smd: 1(-3.7,0) 2(3.7,0)
LED_0805
  rect 1.118x1.372 smd: 1(0.95,0) 2(-0.95,0)
LFCSP16_0P65MM_G
  rect 0.914x0.305 smd: 1(-2.05,0.975) 2(-2.05,0.325) 3(-2.05,-0.325) 4(-2.05,-0.975) 9(2.05,-0.975) 10(2.05,-0.325) 11(2.05,0.325) 12(2.05,0.975)
  rect 0.305x0.914 smd: 5(-0.975,-2.05) 6(-0.325,-2.05) 7(0.325,-2.05) 8(0.975,-2.05) 13(0.975,2.05) 14(0.325,2.05) 15(-0.325,2.05) 16(-0.975,2.05)
  rect 2.7x2.7 smd: 17(0,0)
LOGO_KT_KSMT
  round 0.051 smd: 1(-0.711,-0.711)
LOGO_NC_NORDIC
  round 0.051 smd: 1(-0.711,-0.711)
M3_NPTH169
  round 0.508 hole 4.293 unplated: (0,0)
PCB_CODE
  round 0.051 smd: 1(0,0)
PG_LTXDX_F_X1_GX1_SL17_V2
  round 0.508 hole 3.2 unplated: (83.466,154.842)
  round 0.051 hole 2.489x2.21 unplated: (84.465,220.342)
  rect 1.016x1.016 smd: A1(78.836,218.796)
  round 1.016 hole 0.559: A2(77.711,217.796) A3(78.836,216.796) A4(77.711,215.796) A5(78.836,214.796) A6(77.711,213.796) A7(78.836,212.796) A8(77.711,211.796) A9(78.836,210.796) A10(77.711,209.796) A11(78.836,208.796) A12(77.711,207.796) A13(78.836,206.796) A14(77.711,205.796) A15(78.836,204.796) A16(77.711,203.796) A17(78.836,202.796) A18(77.711,201.796) A19(78.836,200.796) A20(77.711,199.796) A21(78.836,198.796) A22(77.711,197.796) A23(78.836,196.796) A24(77.711,195.796) A25(78.836,194.796) A26(77.711,193.796) A27(78.836,192.796) A28(77.711,191.796) A29(78.836,190.796) A30(77.711,189.796) A31(78.836,188.796) A32(77.711,187.796) A33(78.836,186.796) A34(77.711,185.796) A35(78.836,184.796) A36(77.711,183.796) A37(78.836,182.796) A38(77.711,181.796) A39(78.836,180.796) A40(77.711,179.796) A41(78.836,178.796) A42(77.711,177.796) A43(78.836,176.796) A44(77.711,175.796) A45(78.836,174.796) A46(77.711,173.796) A47(78.836,172.796) A48(77.711,171.796) A49(78.836,170.796) A50(77.711,169.796) A51(78.836,168.796) A52(77.711,167.796) A53(78.836,166.796) A54(77.711,165.796) A55(78.836,164.796) A56(77.711,163.796) A57(78.836,162.796) A58(77.711,161.796) A59(78.836,160.796) A60(77.711,159.796) A61(78.836,158.796) B2(79.96,217.796) B3(81.085,216.796) B4(79.96,215.796) B5(81.085,214.796) B6(79.96,213.796) B7(81.085,212.796) B8(79.96,211.796) B9(81.085,210.796) B10(79.96,209.796) B11(81.085,208.796) B12(79.96,207.796) B13(81.085,206.796) B14(79.96,205.796) B15(81.085,204.796) B16(79.96,203.796) B17(81.085,202.796) B18(79.96,201.796) B19(81.085,200.796) B20(79.96,199.796) B21(81.085,198.796) B22(79.96,197.796) B23(81.085,196.796) B24(79.96,195.796) B25(81.085,194.796) B26(79.96,193.796) B27(81.085,192.796) B28(79.96,191.796) B29(81.085,190.796) B30(79.96,189.796) B31(81.085,188.796) B32(79.96,187.796) B33(81.085,186.796) B34(79.96,185.796) B35(81.085,184.796) B36(79.96,183.796) B37(81.085,182.796) B38(79.96,181.796) B39(81.085,180.796) B40(79.96,179.796) B41(81.085,178.796) B42(79.96,177.796) B43(81.085,176.796) B44(79.96,175.796) B45(81.085,174.796) B46(79.96,173.796) B47(81.085,172.796) B48(79.96,171.796) B49(81.085,170.796) B50(79.96,169.796) B51(81.085,168.796) B52(79.96,167.796) B53(81.085,166.796) B54(79.96,165.796) B55(81.085,164.796) B56(79.96,163.796) B57(81.085,162.796) B58(79.96,161.796) B59(81.085,160.796) B60(79.96,159.796) B61(81.085,158.796) C2(82.21,217.796) C3(83.336,216.796) C4(82.21,215.796) C5(83.336,214.796) C6(82.21,213.796) C7(83.336,212.796) C8(82.21,211.796) C9(83.336,210.796) C10(82.21,209.796) C11(83.336,208.796) C12(82.21,207.796) C13(83.336,206.796) C14(82.21,205.796) C15(83.336,204.796) C16(82.21,203.796) C17(83.336,202.796) C18(82.21,201.796) C19(83.336,200.796) C20(82.21,199.796) C21(83.336,198.796) C22(82.21,197.796) C23(83.336,196.796) C24(82.21,195.796) C25(83.336,194.796) C26(82.21,193.796) C27(83.336,192.796) C28(82.21,191.796) C29(83.336,190.796) C30(82.21,189.796) C31(83.336,188.796) C32(82.21,187.796) C33(83.336,186.796) C34(82.21,185.796) C35(83.336,184.796) C36(82.21,183.796) C37(83.336,182.796) C38(82.21,181.796) C39(83.336,180.796) C40(82.21,179.796) C41(83.336,178.796) C42(82.21,177.796) C43(83.336,176.796) C44(82.21,175.796) C45(83.336,174.796) C46(82.21,173.796) C47(83.336,172.796) C48(82.21,171.796) C49(83.336,170.796) C50(82.21,169.796) C51(83.336,168.796) C52(82.21,167.796) C53(83.336,166.796) C54(82.21,165.796) C55(83.336,164.796) C56(82.21,163.796) C57(83.336,162.796) C58(82.21,161.796) C59(83.336,160.796) C60(82.21,159.796) C61(83.336,158.796) D2(84.461,217.796) D3(85.586,216.796) D4(84.461,215.796) D5(85.586,214.796) D6(84.461,213.796) D7(85.586,212.796) D8(84.461,211.796) D9(85.586,210.796) D10(84.461,209.796) D11(85.586,208.796) D12(84.461,207.796) D13(85.586,206.796) D14(84.461,205.796) D15(85.586,204.796) D16(84.461,203.796) D17(85.586,202.796) D18(84.461,201.796) D19(85.586,200.796) D20(84.461,199.796) D21(85.586,198.796) D22(84.461,197.796) D23(85.586,196.796) D24(84.461,195.796) D25(85.586,194.796) D26(84.461,193.796) D27(85.586,192.796) D28(84.461,191.796) D29(85.586,190.796) D30(84.461,189.796) D31(85.586,188.796) D32(84.461,187.796) D33(85.586,186.796) D34(84.461,185.796) D35(85.586,184.796) D36(84.461,183.796) D37(85.586,182.796) D38(84.461,181.796) D39(85.586,180.796) D40(84.461,179.796) D41(85.586,178.796) D42(84.461,177.796) D43(85.586,176.796) D44(84.461,175.796) D45(85.586,174.796) D46(84.461,173.796) D47(85.586,172.796) D48(84.461,171.796) D49(85.586,170.796) D50(84.461,169.796) D51(85.586,168.796) D52(84.461,167.796) D53(85.586,166.796) D54(84.461,165.796) D55(85.586,164.796) D56(84.461,163.796) D57(85.586,162.796) D58(84.461,161.796) D59(85.586,160.796) D60(84.461,159.796) D61(85.586,158.796) E2(86.711,217.796) E3(87.835,216.796) E4(86.711,215.796) E5(87.835,214.796) E6(86.711,213.796) E7(87.835,212.796) E8(86.711,211.796) E9(87.835,210.796) E10(86.711,209.796) E11(87.835,208.796) E12(86.711,207.796) E13(87.835,206.796) E14(86.711,205.796) E15(87.835,204.796) E16(86.711,203.796) E17(87.835,202.796) E18(86.711,201.796) E19(87.835,200.796) E20(86.711,199.796) E21(87.835,198.796) E22(86.711,197.796) E23(87.835,196.796) E24(86.711,195.796) E25(87.835,194.796) E26(86.711,193.796) E27(87.835,192.796) E28(86.711,191.796) E29(87.835,190.796) E30(86.711,189.796) E31(87.835,188.796) E32(86.711,187.796) E33(87.835,186.796) E34(86.711,185.796) E35(87.835,184.796) E36(86.711,183.796) E37(87.835,182.796) E38(86.711,181.796) E39(87.835,180.796) E40(86.711,179.796) E41(87.835,178.796) E42(86.711,177.796) E43(87.835,176.796) E44(86.711,175.796) E45(87.835,174.796) E46(86.711,173.796) E47(87.835,172.796) E48(86.711,171.796) E49(87.835,170.796) E50(86.711,169.796) E51(87.835,168.796) E52(86.711,167.796) E53(87.835,166.796) E54(86.711,165.796) E55(87.835,164.796) E56(86.711,163.796) E57(87.835,162.796) E58(86.711,161.796) E59(87.835,160.796) E60(86.711,159.796) E61(87.835,158.796) F2(88.96,217.796) F3(90.085,216.796) F4(88.96,215.796) F5(90.085,214.796) F6(88.96,213.796) F7(90.085,212.796) F8(88.96,211.796) F9(90.085,210.796) F10(88.96,209.796) F11(90.085,208.796) F12(88.96,207.796) F13(90.085,206.796) F14(88.96,205.796) F15(90.085,204.796) F16(88.96,203.796) F17(90.085,202.796) F18(88.96,201.796) F19(90.085,200.796) F20(88.96,199.796) F21(90.085,198.796) F22(88.96,197.796) F23(90.085,196.796) F24(88.96,195.796) F25(90.085,194.796) F26(88.96,193.796) F27(90.085,192.796) F28(88.96,191.796) F29(90.085,190.796) F30(88.96,189.796) F31(90.085,188.796) F32(88.96,187.796) F33(90.085,186.796) F34(88.96,185.796) F35(90.085,184.796) F36(88.96,183.796) F37(90.085,182.796) F38(88.96,181.796) F39(90.085,180.796) F40(88.96,179.796) F41(90.085,178.796) F42(88.96,177.796) F43(90.085,176.796) F44(88.96,175.796) F45(90.085,174.796) F46(88.96,173.796) F47(90.085,172.796) F48(88.96,171.796) F49(90.085,170.796) F50(88.96,169.796) F51(90.085,168.796) F52(88.96,167.796) F53(90.085,166.796) F54(88.96,165.796) F55(90.085,164.796) F56(88.96,163.796) F57(90.085,162.796) F58(88.96,161.796) F59(90.085,160.796) F60(88.96,159.796) F61(90.085,158.796) G2(91.21,217.796) G4(91.21,215.796) G6(91.21,213.796) G8(91.21,211.796) G10(91.21,209.796) G12(91.21,207.796) G14(91.21,205.796) G16(91.21,203.796) G18(91.21,201.796) G20(91.21,199.796) G22(91.21,197.796) G24(91.21,195.796) G26(91.21,193.796) G28(91.21,191.796) G30(91.21,189.796) G32(91.21,187.796) G34(91.21,185.796) G36(91.21,183.796) G38(91.21,181.796) G40(91.21,179.796) Z5(76.586,214.796) Z7(76.586,212.796) Z9(76.586,210.796) Z11(76.586,208.796) Z13(76.586,206.796) Z15(76.586,204.796) Z17(76.586,202.796) Z19(76.586,200.796) Z21(76.586,198.796) Z23(76.586,196.796) Z25(76.586,194.796) Z27(76.586,192.796) Z29(76.586,190.796) Z31(76.586,188.796) Z33(76.586,186.796) Z35(76.586,184.796) Z37(76.586,182.796) Z39(76.586,180.796) Z41(76.586,178.796) Z43(76.586,176.796) Z45(76.586,174.796) Z47(76.586,172.796) Z49(76.586,170.796) Z51(76.586,168.796) Z53(76.586,166.796) Z55(76.586,164.796) Z57(76.586,162.796) Z59(76.586,160.796) Z61(76.586,158.796)